# KiCad board ControlBoard.kicad_pcb (continued)
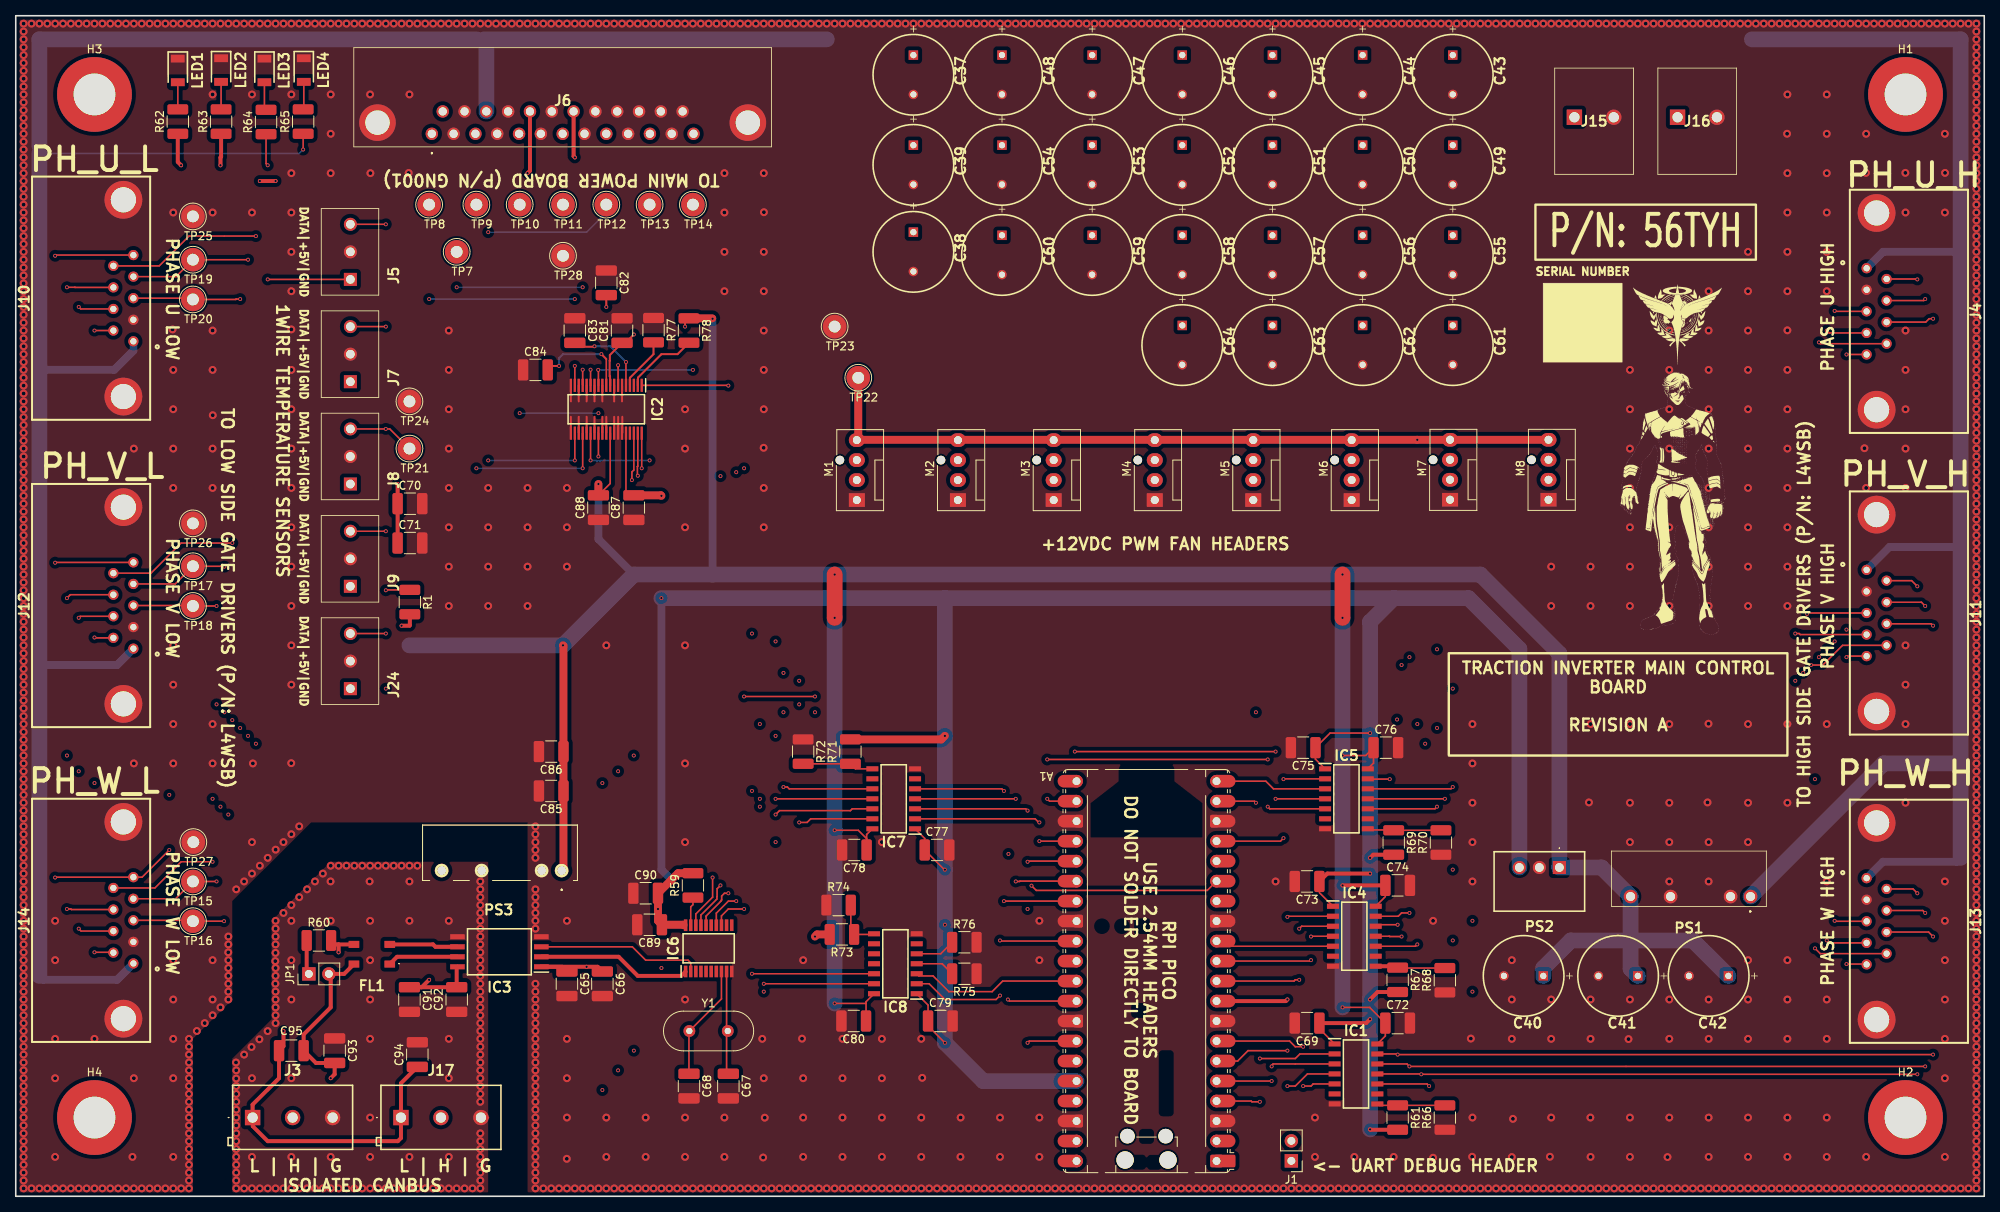
[diagram p0: board, top side]
## Footprints (pads in the part's own frame, mm; a bottom-side part is the same pattern mirrored in y, then rotated)
5-106505-2_3
  round 1.3 hole 0.8: 1(9.97,-12.87) 2(12.71,-12.87) 3(15.45,-12.87) 4(18.19,-12.87) 5(20.93,-12.87) 6(11.34,-10.33) 7(14.08,-10.33) 8(16.82,-10.33) 9(19.56,-10.33)
  round 4.8 hole 3.2: 10(2.95,-11.6) 11(27.95,-11.6)
1548129
  rect 1.95x1.95 hole 1.3: 1(0,0)
  round 1.95 hole 1.3: 2(5.08,0) 3(10.16,0)
1987724
  rect 1.95x1.95 hole 1.3: 1(0,0)
  round 1.95 hole 1.3: 2(5,0)
5442251
  rect 1.65x1.65 hole 1.1: 1(0,0)
  round 1.65 hole 1.1: 2(3.5,0) 3(7,0)
ACT45B1012PTL003
  rect 1.35x0.9 smd: 1(-2.275,1.25) 2(-2.275,-1.25) 3(2.275,-1.25) 4(2.275,1.25)
C_1210_3225Metric_Pad1.33x2.70mm_HandSolder
  rrect 1.325x2.7 smd: 1(-1.562,0) 2(1.562,0)
CAPPRD500W60D1025H1750
  rect 1.2x1.2 hole 0.8: 1(0,0)
  round 1.2 hole 0.8: 2(5,0)
Crystal_HC49-4H_Vertical
  round 1.5 hole 0.8: 1(0,0) 2(4.88,0)
FanPinHeader_1x04_P2.54mm_Vertical
  round 1.1 hole 1.1 unplated: (5.08,2.16)
  rect 1.73x2.03 hole 1.02: 1(0,0)
  oval 1.73x2.03 hole 1.02: 2(2.54,0) 3(5.08,0) 4(7.62,0)
L717SDB25PA4CH3R
  round 1.575 hole 1.05: 1(0,0) 2(-2.77,0) 3(-5.54,0) 4(-8.31,0) 5(-11.08,0) 6(-13.85,0) 7(-16.62,0) 8(-19.39,0) 9(-22.16,0) 10(-24.93,0) 11(-27.7,0) 12(-30.47,0) 13(-33.24,0) 14(-31.855,-2.84) 15(-29.085,-2.84) 16(-26.315,-2.84) 17(-23.545,-2.84) 18(-20.775,-2.84) 19(-18.005,-2.84) 20(-15.235,-2.84) 21(-12.465,-2.84) 22(-9.695,-2.84) 23(-6.925,-2.84) 24(-4.155,-2.84) 25(-1.385,-2.84)
  round 4.65 hole 3.1: MH1(6.9,-1.42) MH2(-40.14,-1.42)
LEDC3216X120N
  rect 1x1.75 smd: 1(-1.5,0) 2(1.5,0)
MountingHole_5.3mm_M5_ISO7380_Pad
  round 9.5 hole 5.3: 1(0,0)
PinHeader_1x02_P2.54mm_Vertical
  rect 1.7x1.7 hole 1: 1(0,0)
  round 1.7 hole 1: 2(0,-2.54)
R78K3310
  rect 1.665x1.665 hole 1.11: 1(0,0)
  round 1.665 hole 1.11: 2(2.54,0) 3(5.08,0)
R_1210_3225Metric_Pad1.30x2.65mm_HandSolder
  rrect 1.3x2.65 smd: 1(-1.55,0) 2(1.55,0)
RaspberryPi_Pico_Common_Unspecified
  round 2.2 hole 2.2 unplated: (-2.725,24) (2.725,24)
  round 1.85 hole 1.85 unplated: (-2.425,20.97) (2.425,20.97)
  custom 3.2x1.6 smd: 1(-9.69,24.13) 3(-9.69,19.05) 8(-9.69,6.35) 13(-9.69,-6.35) 18(-9.69,-19.05) 23(9.69,-19.05) 28(9.69,-6.35) 33(9.69,6.35) 38(9.69,19.05)
  rrect 1.6x1.6 hole 1: 1(-8.89,24.13)
  rrect 3.2x1.6 smd: 2(-9.69,21.59) 4(-9.69,16.51) 5(-9.69,13.97) 6(-9.69,11.43) 7(-9.69,8.89) 9(-9.69,3.81) 10(-9.69,1.27) 11(-9.69,-1.27) 12(-9.69,-3.81) 14(-9.69,-8.89) 15(-9.69,-11.43) 16(-9.69,-13.97) 17(-9.69,-16.51) 19(-9.69,-21.59) 20(-9.69,-24.13) 21(9.69,-24.13) 22(9.69,-21.59) 24(9.69,-16.51) 25(9.69,-13.97) 26(9.69,-11.43) 27(9.69,-8.89) 29(9.69,-3.81) 30(9.69,-1.27) 31(9.69,1.27) 32(9.69,3.81) 34(9.69,8.89) 35(9.69,11.43) 36(9.69,13.97) 37(9.69,16.51) 39(9.69,21.59) 40(9.69,24.13)
  round 1.6 hole 1: 2(-8.89,21.59) 4(-8.89,16.51) 5(-8.89,13.97) 6(-8.89,11.43) 7(-8.89,8.89) 9(-8.89,3.81) 10(-8.89,1.27) 11(-8.89,-1.27) 12(-8.89,-3.81) 14(-8.89,-8.89) 15(-8.89,-11.43) 16(-8.89,-13.97) 17(-8.89,-16.51) 19(-8.89,-21.59) 20(-8.89,-24.13) 21(8.89,-24.13) 22(8.89,-21.59) 24(8.89,-16.51) 25(8.89,-13.97) 26(8.89,-11.43) 27(8.89,-8.89) 29(8.89,-3.81) 30(8.89,-1.27) 31(8.89,1.27) 32(8.89,3.81) 34(8.89,8.89) 35(8.89,11.43) 36(8.89,13.97) 37(8.89,16.51) 39(8.89,21.59) 40(8.89,24.13)
  custom 1.6x1.6 hole 1: 3(-8.89,19.05) 8(-8.89,6.35) 13(-8.89,-6.35) 18(-8.89,-19.05) 23(8.89,-19.05) 28(8.89,-6.35) 33(8.89,6.35) 38(8.89,19.05)
RFMM0505S
  round 1.725 hole 1.15: 1(0,0) 2(2.54,0) 5(10.16,0) 7(15.24,0)
RKE1205SH
  round 1.725 hole 1.15: 1(0,0) 2(2.54,0) 5(10.16,0) 7(15.24,0)
SOIC127P600X175-14N
  rect 1.525x0.65 smd: 1(-2.712,3.81) 2(-2.712,2.54) 3(-2.712,1.27) 4(-2.712,0) 5(-2.712,-1.27) 6(-2.712,-2.54) 7(-2.712,-3.81) 8(2.712,-3.81) 9(2.712,-2.54) 10(2.712,-1.27) 11(2.712,0) 12(2.712,1.27) 13(2.712,2.54) 14(2.712,3.81)
SOIC127P1150X280-8N
  rect 1.85x0.65 smd: 1(-5.325,1.905) 2(-5.325,0.635) 3(-5.325,-0.635) 4(-5.325,-1.905) 5(5.325,-1.905) 6(5.325,-0.635) 7(5.325,0.635) 8(5.325,1.905)
SOP50P640X120-38M
  rect 1.675x0.3 smd: 1(-3.038,4.5) 2(-3.038,4) 3(-3.038,3.5) 4(-3.038,3) 5(-3.038,2.5) 6(-3.038,2) 7(-3.038,1.5) 8(-3.038,1) 9(-3.038,0.5) 10(-3.038,0) 11(-3.038,-0.5) 12(-3.038,-1) 13(-3.038,-1.5) 14(-3.038,-2) 15(-3.038,-2.5) 16(-3.038,-3) 17(-3.038,-3.5) 18(-3.038,-4) 19(-3.038,-4.5) 20(3.038,-4.5) 21(3.038,-4) 22(3.038,-3.5) 23(3.038,-3) 24(3.038,-2.5) 25(3.038,-2) 26(3.038,-1.5) 27(3.038,-1) 28(3.038,-0.5) 29(3.038,0) 30(3.038,0.5) 31(3.038,1) 32(3.038,1.5) 33(3.038,2) 34(3.038,2.5) 35(3.038,3) 36(3.038,3.5) 37(3.038,4) 38(3.038,4.5)
SOP65P640X120-20N
  rect 1.475x0.45 smd: 1(-2.938,2.925) 2(-2.938,2.275) 3(-2.938,1.625) 4(-2.938,0.975) 5(-2.938,0.325) 6(-2.938,-0.325) 7(-2.938,-0.975) 8(-2.938,-1.625) 9(-2.938,-2.275) 10(-2.938,-2.925) 11(2.938,-2.925) 12(2.938,-2.275) 13(2.938,-1.625) 14(2.938,-0.975) 15(2.938,-0.325) 16(2.938,0.325) 17(2.938,0.975) 18(2.938,1.625) 19(2.938,2.275) 20(2.938,2.925)
TestPoint_Loop_D2.54mm_Drill1.5mm_Beaded
  round 3 hole 1.5: 1(0,0)

## Nets
+3.3V: A1.36 C65.1 C66.1 C69.1 C73.1 C75.1 C77.1 C79.1 C87.2 C89.1 C90.2 IC1.1 IC2.34 IC3.1 IC4.1 IC5.1 IC6.20 IC7.1 IC8.1 PS2.3 R59.2 R61.2 R67.2 R69.2 R71.2 R73.2
+5V: C40.1 C41.1 C42.1 C70.1 C71.1 C72.1 C74.1 C76.1 C78.1 C80.1 C81.1 C85.1 C86.1 C88.2 IC1.14 IC2.9 IC2.30 IC4.14 IC5.14 IC7.14 IC8.14 J5.1 J7.1 J8.1 J9.1 J24.1 PS1.7 PS2.1 PS3.1 R1.2 R64.1 R78.1
+12V: C37.1 C38.1 C39.1 C43.1 C44.1 C45.1 C46.1 C47.1 C48.1 C49.1 C50.1 C51.1 C52.1 C53.1 C54.1 C55.1 C56.1 C57.1 C58.1 C59.1 C60.1 C61.1 C62.1 C63.1 C64.1 J4.1 J6.23 J10.1 J11.1 J12.1 J13.1 J14.1 J15.1 J16.1 M1.2 M2.2 M3.2 M4.2 M5.2 M6.2 M7.2 M8.2 PS1.1 R65.1
GND: A1.3 A1.8 A1.13 A1.18 A1.23 A1.28 A1.33 A1.38 C37.2 C38.2 C39.2 C40.2 C41.2 C42.2 C43.2 C44.2 C45.2 C46.2 C47.2 C48.2 C49.2 C50.2 C51.2 C52.2 C53.2 C54.2 C55.2 C56.2 C57.2 C58.2 C59.2 C60.2 C61.2 C62.2 C63.2 C64.2 C65.2 C66.2 C67.2 C68.2 C69.2 C70.2 C71.2 C72.2 C73.2 C74.2 C75.2 C76.2 C77.2 C78.2 C79.2 C80.2 C81.2 C82.1 C83.1 C84.1 C85.2 C86.2 C87.1 C88.1 C89.2 C90.1 IC1.7 IC2.6 IC2.8 IC2.11 IC2.13 IC2.15 IC2.17 IC2.19 IC2.20 IC2.22 IC2.24 IC2.26 IC2.28 IC2.29 IC2.31 IC2.32 IC2.33 IC3.4 IC4.7 IC5.7 IC6.10 IC7.7 IC8.7 J4.2 J4.10 J4.11 J5.2 J6.2 J6.4 J6.6 J6.8 J6.10 J6.12 J6.14 J6.15 J6.16 J6.17 J6.18 J6.20 J6.22 J6.24 J6.MH1 J6.MH2 J7.2 J8.2 J9.2 J10.2 J10.10 J10.11 J11.2 J11.10 J11.11 J12.2 J12.10 J12.11 J13.2 J13.10 J13.11 J14.2 J14.10 J14.11 J15.2 J16.2 J24.2 LED1.1 LED2.1 LED3.1 LED4.1 M1.1 M2.1 M3.1 M4.1 M5.1 M6.1 M7.1 M8.1 PS1.2 PS1.5 PS2.2 PS3.2 R66.1 R68.1 R70.1 R72.1 R74.1 R75.1 R76.2 R77.1 TP23.1 TP24.1 TP25.1 TP26.1 TP27.1 TP28.1
1WIRE_3v3_DATA: A1.20 IC5.3
1WIRE_DATA: IC5.12 J5.3 J7.3 J8.3 J9.3 J24.3 R1.1 TP21.1
ADC_SPI_CS: A1.19 IC2.38
CAN_CS: A1.32 IC6.18
CAN_INT: A1.34 IC6.13
CANBUS_ISO_5V: C91.1 C92.2 IC3.8 PS3.7
CANBUS_ISO_GND: C91.2 C92.1 C93.1 C94.2 IC3.5 J3.3 J17.3 PS3.5
CanH_External: C93.2 C95.1 FL1.4 J3.2 J17.2 JP1.2
CanL_External: C94.1 C95.2 FL1.3 J3.1 J17.1 R60.2
DC_LINK_BUS_CURRENT_SENSE: IC2.18 J6.1 TP8.1
DC_LINK_BUS_ISOLATED_VSENSE: IC2.16 J6.25 TP7.1
FAN_3v3_PWM: A1.21 IC5.4
FAN_PWM: IC5.11 M1.4 M2.4 M3.4 M4.4 M5.4 M6.4 M7.4 M8.4 TP22.1
FAULT_3v3_INPUT: A1.31 IC8.3
FAULT_INPUT: IC8.12 J4.5 J10.5 J11.5 J12.5 J13.5 J14.5
FAULT_LED: J6.21 R62.1
GATE_SPI_3v3_RX: A1.6 IC1.4
GATE_SPI_3v3_SCK: A1.4 IC1.2
GATE_SPI_3v3_TX: A1.5 IC1.3
GATE_SPI_RX: IC1.11 J4.6 J10.6 J11.6 J12.6 J13.6 J14.6
GATE_SPI_SCK: IC1.13 J4.8 J10.8 J11.8 J12.8 J13.8 J14.8
GATE_SPI_TX: IC1.12 J4.7 J10.7 J11.7 J12.7 J13.7 J14.7
GATE_U_3v3_H_CS: A1.9 IC4.2
GATE_U_3v3_L_CS: A1.7 IC1.5
GATE_U_H_CS: IC4.13 J4.9
GATE_U_L_CS: IC1.10 J10.9
GATE_V_3v3_H_CS: A1.11 IC4.4
GATE_V_3v3_L_CS: A1.10 IC4.3
GATE_V_H_CS: IC4.11 J11.9
GATE_V_L_CS: IC4.12 J12.9
GATE_W_3v3_H_CS: A1.17 IC5.2
GATE_W_3v3_L_CS: A1.12 IC4.5
GATE_W_H_CS: IC5.13 J13.9
GATE_W_L_CS: IC4.10 J14.9
PH_3v3_PWM_U_H: A1.26 IC7.4
PH_3v3_PWM_U_L: A1.22 IC5.5
PH_3v3_PWM_V_H: A1.27 IC7.5
PH_3v3_PWM_V_L: A1.24 IC7.2
PH_3v3_PWM_W_H: A1.29 IC8.2
PH_3v3_PWM_W_L: A1.25 IC7.3
PH_PWM_U_H: IC7.11 J4.3 J10.4 TP19.1
PH_PWM_U_L: IC5.10 J4.4 J10.3 TP20.1
PH_PWM_V_H: IC7.10 J11.3 J12.4 TP17.1
PH_PWM_V_L: IC7.13 J11.4 J12.3 TP18.1
PH_PWM_W_H: IC8.13 J13.3 J14.4 TP15.1
PH_PWM_W_L: IC7.12 J13.4 J14.3 TP16.1
PHASE_U_ISENSE: IC2.23 J6.3 TP9.1
PHASE_U_ISOLATED_VSENSE: IC2.21 J6.9 TP12.1
PHASE_V_ISENSE: IC2.27 J6.5 TP10.1
PHASE_V_ISOLATED_VSENSE: IC2.25 J6.11 TP13.1
PHASE_W_ISENSE: IC2.14 J6.7 TP11.1
PHASE_W_ISOLATED_VSENSE: IC2.12 J6.13 TP14.1
SPI2_RX: A1.16 IC2.36 IC6.17
SPI2_SCK: A1.14 IC2.37 IC6.14
SPI2_TX: A1.15 IC2.1 IC6.16
StatusLED: J6.19 R63.1
Net-(A1-GPIO0): A1.1 J1.1
Net-(A1-GPIO1): A1.2 J1.2
Net-(IC1-OE): IC1.8 R61.1 R66.2
Net-(IC2-AUX_IN): C84.2 IC2.10
Net-(IC2-REFCAP): C82.2 IC2.7
Net-(IC2-REFIO): C83.2 IC2.5
Net-(IC2-~{REFSEL}): IC2.4 R77.2
Net-(IC2-~{RST}/~{PD}): IC2.2 R78.2
Net-(IC3-CANH): FL1.1 IC3.7
Net-(IC3-CANL): FL1.2 IC3.6
Net-(IC3-RXD): IC3.3 IC6.2
Net-(IC3-TXD): IC3.2 IC6.1
Net-(IC4-OE): IC4.8 R67.1 R68.2
Net-(IC5-OE): IC5.8 R69.1 R70.2
Net-(IC6-OSC1): C67.1 IC6.9 Y1.2
Net-(IC6-OSC2): C68.1 IC6.8 Y1.1
Net-(IC6-~{RESET}): IC6.19 R59.1
Net-(IC7-OE): IC7.8 R71.1 R72.2
Net-(IC8-A3): IC8.4 R75.2
Net-(IC8-A4): IC8.5 R76.1
Net-(IC8-OE): IC8.8 R73.1 R74.2
Net-(JP1-A): JP1.1 R60.1
Net-(LED1-A): LED1.2 R62.2
Net-(LED2-A): LED2.2 R63.2
Net-(LED3-A): LED3.2 R64.2
Net-(LED4-A): LED4.2 R65.2

Pads without a net: A1 30 35 37 39 40; H1 1; H2 1; H3 1; H4 1; IC1 6 9; IC2 3 35; IC4 6 9; IC5 6 9; IC6 3 4 5 6 7 11 12 15; IC7 6 9; IC8 6 9 10 11; M1 3; M2 3; M3 3; M4 3; M5 3; M6 3; M7 3; M8 3

## Via types
v1: diameter 1, hole 0.5, Top to Bottom, 1276 vias
v2: diameter 0.5, hole 0.3, Top to Bottom, 249 vias

## Routing (per net, layer and track width the routed paths; a pad name or vN(x,y) marks a point on that pad's centre or on a via; arc(x,y) is an arc through that point)
+3.3V: length 471.3
  Top w0.2: v2(118,41.5) 117.94,41.5 C77.1 115.44,45.46 IC7.1 ; v2(118,19.5) 115.86,21.64 C79.1 115.86,24.29 IC8.1 ; IC5.1 165.06,55.54 C75.1 166.91,58.85 v2(172,58.85) ; 165.56,21.29 IC1.1 ; 165.56,38.58 IC4.1 ; IC2.34 77.5,89
  Top w0.5: v2(172,41) 166.56,41 C73.1 ; C66.1 73.91,29.16 v2(72.5,29.16) IC3.1 69.41,29.16 C65.1 ; C69.1 171.5,22 v2(172,22.5) ; R61.2 172.05,8.45 v2(172,8.5) ; v2(172,25) 172.95,25.95 R67.2 ; v2(172,43) 172.4,43.4 R69.2
  Top w1: 84.8,34.44 84.74,34.5 C89.1 81.56,35 v2(81.56,36.5) C90.2 v2(83.28,40.22) 84.11,41.05 R59.2 ; R71.2 117.55,58.05 v2(118,58.5) ; v2(82,89) 81.94,89.06 C87.2 ; v2(101.5,33) 101.77,33.27 R73.2
  In1.Cu w0.5: v2(82,29) 81.84,29.16 v2(72.5,29.16)
  In2.Cu w0.5: v2(82,29) 82,36.06 v2(81.56,36.5)
  In2.Cu w1: v2(101.5,33) 116.5,33 v2(118,34.5) ; v2(82,89) v2(82,76)
  Bottom w1: v2(83.28,40.22) 82,41.5 v2(82,76)
  Bottom w2: A1.36 122.86,14.64 v2(118,19.5) v2(118,34.5) v2(118,41.5) v2(118,58.5) 118,76 ; 118,76 175,76 ; 118,76 v2(82,76) ; 175,76 184.5,76 190.96,69.54 PS2.3 ; 175,76 172,73 v2(172,43) v2(172,41) v2(172,25) v2(172,22.5) v2(172,8.5)
+5V: length 523.1
  Top w0.2: v2(168.5,24) 171.94,24 C72.1 173.94,20.36 IC1.14 ; v2(32,131) 31.79,131.21 R64.1 ; v2(32,116.5) J5.1 ; IC7.14 108.06,45.96 C78.1 108.06,45.44 107,46.5 v2(104,46.5) ; v2(104,24.5) 107.99,24.5 ; 107.99,24.5 C80.1 ; 107.99,24.5 107.99,24.72 IC8.14 ; v2(168.5,56) 171.44,56 C76.1 172.44,55.04 IC5.14 ; 173.94,38.08 IC4.14 ; IC2.30 75.5,90.56 C88.2 ; 172.15,56.45 172.29,56.31
  Top w0.25: 88.45,111.55 v2(88.5,111.5) ; v2(78.5,109.5) 77.44,108.44 C81.1 75.45,106.89 75.45,106.19 75.43,106.16 75.43,104.2 75.48,104.2 75.48,103.06 IC2.9 ; v2(85,110.5) 85,111.05 R78.1
  Top w0.5: C71.1 C70.1 v2(48.5,90.5) ; C74.1 v2(168.5,39.5) ; v2(49,72.5) 50,72.5 50.05,72.55 R1.2
  Top w1: PS3.1 69.56,41.62 C86.1 69.56,69.94 v2(69.5,70) ; C88.2 v2(74,90.5) ; R78.1 88.45,111.55
  Top w2: v2(168.5,79) v2(168.5,73.5) ; v2(104,79) v2(104,73.5)
  In2.Cu w0.2: v2(32,131) v2(32,116.5)
  In2.Cu w0.25: v2(78.5,109.5) 79.5,110.5 v2(85,110.5)
  Bottom w1: 78.5,79 74,83.5 v2(74,90.5) ; v2(88.5,111.5) 88.5,79
  Bottom w2: 205.09,32.5 205.09,28.91 C41.1 ; 205.09,32.5 PS1.7 201.4,41.78 PS2.1 196.04,68.96 186,79 v2(168.5,79) v2(104,79) 78.5,79 v2(69.5,70) 50,70 ; 205.09,32.5 213,32.5 C42.1 ; 205.09,32.5 197.5,32.5 194,29 C40.1 ; v2(104,24.5) v2(104,46.5) v2(104,73.5) ; v2(168.5,24) v2(168.5,39.5) v2(168.5,56) v2(168.5,73.5)
+12V: length 505.3
  Top w0.2: R65.1 v2(36.5,133)
  Bottom w0.2: 2.5,133 3,132.5 36,132.5 v2(36.5,133)
  Bottom w1: 2.5,67.5 12.86,67.5 J12.1 ; 247,43 246.5,42.5 237.14,42.5 J13.1 ; 3,105.5 3.5,105 12.5,105 14.94,107.44 J10.1 ; 3,28 3.5,27.5 12.86,27.5 J14.1 ; J11.1 237.97,82.5 247.5,82.5 ; 247.5,120 237.14,120 J4.1
  Bottom w2: 59.77,146.74 J6.23 ; 247,55.5 247,43 ; 247,55.5 247,82 ; 247,55.5 246.5,55 237.24,55 PS1.1 ; 3,132.5 3,28 ; 247,120.5 247,147 220.5,147 ; 247,119.5 247,83 ; 103,147 59.5,147 ; 58.5,147 3,147 3,133.5
GND: length 32.6
  Top w0.25: 77,101 IC2.6 ; 73.5,101 IC2.13 ; 75,97 75,99.04 ; 76,97 76,99.04 ; 76.5,97 76.5,99.04 ; 71.5,97 71.5,99.04 ; 76,101 IC2.8 ; 74.5,101 IC2.11 ; 70.5,101 IC2.19 ; 73.5,97 73.5,99.04 ; 71.5,101 IC2.17 ; 74.5,97 74.5,99.04 ; 72.5,101 IC2.15 ; 72.5,97 72.5,99.04 ; 70.5,97 70.5,99.04 ; 77.03,97 77.03,99.04
  vias: v1(1,149) v1(1,148) v1(1,147) v1(1,146) v1(1,145) v1(1,144) v1(1,143) v1(1,142) v1(1,141) v1(1,140) v1(1,139) v1(1,138) v1(1,137) v1(1,136) v1(1,135) v1(1,134) v1(1,133) v1(1,132) v1(1,131) v1(1,130) v1(1,129) v1(1,128) v1(1,127) v1(1,126) v1(1,125) v1(1,124) v1(1,123) v1(1,122) v1(1,121) v1(1,120) v1(1,119) v1(1,118) v1(1,117) v1(1,116) v1(1,115) v1(1,114) v1(1,113) v1(1,112) v1(1,111) v1(1,110) v1(1,109) v1(1,108) v1(1,107) v1(1,106) v1(1,105) v1(1,104) v1(1,103) v1(1,102) v1(1,101) v1(1,100) v1(1,99) v1(1,98) v1(1,97) v1(1,96) v1(1,95) v1(1,94) v1(1,93) v1(1,92) v1(1,91) v1(1,90) v1(1,89) v1(1,88) v1(1,87) v1(1,86) v1(1,85) v1(1,84) v1(1,83) v1(1,82) v1(1,81) v1(1,80) v1(1,79) v1(1,78) v1(1,77) v1(1,76) v1(1,75) v1(1,74) v1(1,73) v1(1,72) v1(1,71) v1(1,70) v1(1,69) v1(1,68) v1(1,67) v1(1,66) v1(1,65) v1(1,64) v1(1,63) v1(1,62) v1(1,61) v1(1,60) v1(1,59) v1(1,58) v1(1,57) v1(1,56) v1(1,55) v1(1,54) v1(1,53) v1(1,52) v1(1,51) v1(1,50) v1(1,49) v1(1,48) v1(1,47) v1(1,46) v1(1,45) v1(1,44) v1(1,43) v1(1,42) v1(1,41) v1(1,40) v1(1,39) v1(1,38) v1(1,37) v1(1,36) v1(1,35) v1(1,34) v1(1,33) v1(1,32) v1(1,31) v1(1,30) v1(1,29) v1(1,28) v1(1,27) v1(1,26) v1(1,25) v1(1,24) v1(1,23) v1(1,22) v1(1,21) v1(1,20) v1(1,19) v1(1,18) v1(1,17) v1(1,16) v1(1,15) v1(1,14) v1(1,13) v1(1,12) v1(1,11) v1(1,10) v1(1,9) v1(1,8) v1(1,7) v1(1,6) v1(1,5) v1(1,4) v1(1,3) v1(1,2) v1(1,1) v1(2,149) v1(2,1) v1(3,149) v1(3,1) v1(4,149) v1(4,1) v1(5,149) v1(5,35) v1(5,30) v1(5,20) v1(5,15) v1(5,5) v1(5,1) v1(6,149) v1(6,1) v1(7,149) v1(7,1) v1(8,149) v1(8,1) v1(9,149) v1(9,1) v1(10,149) v1(10,20) v1(10,1) v1(11,149) v1(11,1) v1(12,149) v1(12,1) v1(13,149) v1(13,1) v1(14,149) v1(14,1) v1(14.82,5) v1(15,149) v1(15,95) v1(15,55) v1(15,15) v1(15,1) v1(16,149) v1(16,1) v1(17,149) v1(17,1) v1(18,149) v1(18,1) v1(19,149) v1(19,1) v1(19.91,110.14) v1(20,149) v1(20,125) v1(20,105) v1(20,100) v1(20,95) v1(20,90) v1(20,70) v1(20,65) v1(20,60) v1(20,55) v1(20,30) v1(20,25) v1(20,20) v1(20,15) v1(20,5) v1(20,1) v1(21,149) v1(21,1) v1(22,149) v1(22,20) v1(22,19) v1(22,18) v1(22,17) v1(22,16) v1(22,15) v1(22,14) v1(22,13) v1(22,12) v1(22,11) v1(22,10) v1(22,9) v1(22,8) v1(22,7) v1(22,6) v1(22,5) v1(22,4) v1(22,3) v1(22,2) v1(22,1) v1(23,149) v1(23,21) v1(24,149) v1(24,22) v1(25,149) v1(25,140) v1(25,125) v1(25,110) v1(25,105) v1(25.02,99.24) v1(25,95) v1(25,90) v1(25,60) v1(25,55) v1(25,30) v1(25,25) v1(25,23) v1(26,149) v1(26,24) v1(27,149) v1(27,33) v1(27,32) v1(26.99,31) v1(27,30) v1(27,29) v1(27,28) v1(27,27) v1(27,26) v1(27,25) v1(28,149) v1(28,39) v1(29,149) v1(29,40) v1(30,149) v1(30,140) v1(30,125) v1(30,45) v1(30,41) v1(30.12,55) v1(31,149) v1(31,42) v1(32,149) v1(32,43) v1(33,149) v1(33.01,44.04) v1(34,149) v1(34,45) v1(35,149) v1(35,140) v1(35,130) v1(35,125) v1(35,120) v1(35,115) v1(35,110.14) v1(35,105) v1(35,100) v1(35,95) v1(35,90) v1(35,85) v1(35,80) v1(35,75) v1(35,70) v1(35,65) v1(34.99,55.03) v1(35,46) v1(36,149) v1(36,47) v1(37,149) v1(38,149) v1(39,149) v1(40,149) v1(40,140) v1(40,135) v1(40,130) v1(41,149) v1(42,149) v1(43,149) v1(44,149) v1(45,149) v1(45,140) v1(45.04,130) v1(46,149) v1(47,149) v1(48,149) v1(49,149) v1(49.9,130.02) v1(50,149) v1(50,140) v1(51,149) v1(52,149) v1(53,149) v1(54,149) v1(55,149) v1(55,110) v1(55,105) v1(55,100) v1(55,95) v1(55,90) v1(55,85) v1(55,80) v1(55,75) v1(56,149) v1(57,149) v1(58,149) v1(59,149) v1(60,149) v1(60,90) v1(60,85) v1(60,80) v1(60,75) v1(61,149) v1(62,149) v1(63,149) v1(64,149) v1(65,149) v1(65,90) v1(65,85) v1(65,80) v1(65,75) v1(66,149) v1(66,47) v1(66,46) v1(66,45) v1(66,44) v1(66,43) v1(66,39) v1(66,38) v1(66,37) v1(66,36) v1(66,35) v1(66,34) v1(66,27) v1(66,26) v1(66,25) v1(66,24) v1(66,23) v1(66,22) v1(66,21) v1(66,20) v1(66,19) v1(66,18) v1(66,17) v1(66,16) v1(66,15) v1(66,14) v1(66,13) v1(66,12) v1(66,11) v1(66,10) v1(66,9) v1(66,8) v1(66,7) v1(66,6) v1(66,5) v1(66,4) v1(66,3) v1(66,2) v1(66,1) v1(67,149) v1(67,1) v1(68,149) v1(68,1) v1(69,149) v1(69,1) v1(70,149) v1(70,90) v1(70,85) v1(70,80) v1(70,35) v1(70,20) v1(70,15) v1(70,10) v1(69.98,4.76) v1(70,1) v1(71,149) v1(71,1) v1(72,149) v1(72,1) v1(73,149) v1(73,1) v1(74,149) v1(74,1) v1(75,149) v1(75,70) v1(75,10) v1(75,5) v1(75,1) v1(76,149) v1(76,1) v1(77,149) v1(77,1) v1(78,149) v1(78,1) v1(79,149) v1(79,1) v1(80,149) v1(80,10) v1(80,5) v1(80,1) v1(81,149) v1(81,1) v1(82,149) v1(82,1) v1(83,149) v1(83,1) v1(84,149) v1(84,1) v1(85,149) v1(85,100) v1(85,95) v1(85,85) v1(85,70) v1(85,55) v1(85,45) v1(85,25) v1(85,10) v1(85,5) v1(85,1) v1(86,149) v1(86,1) v1(87,149) v1(87,1) v1(88,149) v1(88,1) v1(89,149) v1(89,1) v1(90,149) v1(90,130) v1(90,125) v1(90,120) v1(90,115) v1(90,10) v1(90,5) v1(90,1) v1(91,149) v1(91,1) v1(92,149) v1(92,1) v1(93,149) v1(93,1) v1(94,149) v1(94,1) v1(94.81,20) v1(94.92,4.92) v1(95,149) v1(95,130) v1(95.02,125.04) v1(95,120) v1(95,115) v1(95,110) v1(95,105) v1(95,100) v1(94.98,95.1) v1(95,90) v1(95,85) v1(95,15) v1(95,1) v1(95.12,9.98) v1(96,149) v1(96,1) v1(97,149) v1(97,1) v1(98,149) v1(98,1) v1(99,149) v1(99,1) v1(99.86,20.02) v1(100,149) v1(100,30) v1(100,15) v1(100,10) v1(100,5) v1(100,1) v1(101,149) v1(101,1) v1(102,149) v1(102,1) v1(103,149) v1(103,1) v1(104,149) v1(104,1) v1(105,149) v1(105,20) v1(105,15) v1(105,10) v1(105,5) v1(105,1) v1(106,149) v1(106,1) v1(107,149) v1(107,1) v1(108,149) v1(108,1) v1(109,149) v1(109,1) v1(110,149) v1(110,45) v1(110,20) v1(110,15) v1(110,10) v1(110,5) v1(110,1) v1(111,149) v1(111,1) v1(112,149) v1(112,1) v1(113,149) v1(113,1) v1(114,149) v1(114,1) v1(115,149) v1(115,20) v1(115,10) v1(115,5) v1(115,1) v1(115.12,15.05) v1(116,149) v1(116,1) v1(117,149) v1(117,1) v1(118,149) v1(118,1) v1(119,149) v1(119,1) v1(120,149) v1(120,10) v1(119.98,5.01) v1(120,1) v1(121,149) v1(121,1) v1(122,149) v1(122,1) v1(123,149) v1(123,1) v1(124,149) v1(124,1) v1(125,149) v1(125,10) v1(125,5) v1(125,1) v1(126,149) v1(126,1) v1(127,149) v1(127,1) v1(128,149) v1(128,1) v1(129,149) v1(129,1) v1(130,149) v1(130,35) v1(130,30) v1(130,10) v1(130,5) v1(130,1) v1(131,149) v1(131,1) v1(132,149) v1(132,1) v1(133,149) v1(133,1) v1(134,149) v1(134,1) v1(135,149) v1(135,1) v1(136,149) v1(136,1) v1(137,149) v1(137,1) v1(138,149) v1(138,1) v1(139,149) v1(139,1) v1(140,149) v1(140,1) v1(141,149) v1(141,1) v1(142,149) v1(142,1) v1(143,149) v1(143,1) v1(144,149) v1(144,1) v1(145,149) v1(145,1) v1(146,149) v1(146,1) v1(147,149) v1(147,1) v1(148,149) v1(148,1) v1(149,149) v1(149,1) v1(150,149) v1(150,1) v1(151,149) v1(151,1) v1(152,149) v1(152,1) v1(153,149) v1(153,1) v1(154,149) v1(154,1) v1(155,149) v1(155,1) v1(156,149) v1(156,1) v1(157,149) v1(157,1) v1(158,149) v1(158,1) v1(159,149) v1(159,1) v1(160,149) v1(160,40) v1(160,1) v1(161,149) v1(161,1) v1(162,149) v1(162,1) v1(163,149) v1(163,1) v1(164,149) v1(164,1) v1(165,149) v1(165,10) v1(165,5) v1(165,1) v1(166,149) v1(166,1) v1(167,149) v1(167,1) v1(168,149) v1(168,1) v1(169,149) v1(169,1) v1(170,149) v1(170,5) v1(170,1) v1(171,149) v1(171,1) v1(172,149) v1(172,1) v1(173,149) v1(173,1) v1(174,149) v1(174,1) v1(175,149) v1(175,5) v1(175,1) v1(176,149) v1(176,1) v1(177,149) v1(177,1) v1(178,149) v1(178,1) v1(179,149) v1(179,1) v1(180,149) v1(180,35) v1(180,4.9) v1(180,1) v1(181,149) v1(181,1) v1(182,149) v1(182,1) v1(183,149) v1(183,1) v1(184,149) v1(184,1) v1(184.8,20.04) v1(185,149) v1(185,60) v1(185,55) v1(185,50) v1(185,45) v1(185,40) v1(185,10) v1(184.96,5.02) v1(185,1) v1(186,149) v1(186,1) v1(187,149) v1(187,1) v1(188,149) v1(188,1) v1(189,149) v1(189,1) v1(190,149) v1(190,30) v1(190,25) v1(190,20) v1(190,4.98) v1(190,1) v1(190.15,9.84) v1(191,149) v1(191,1) v1(192,149) v1(192,1) v1(193,149) v1(193,1) v1(194,149) v1(194,1) v1(194.84,5.02) v1(195,149) v1(195,80) v1(195,75) v1(195,25) v1(195,20) v1(195,10) v1(195,1) v1(196,149) v1(196,1) v1(197,149) v1(197,1) v1(198,149) v1(198,1) v1(199,149) v1(199,1) v1(199.8,50.04) v1(200,149) v1(200,80) v1(200,75) v1(200,60) v1(200,25) v1(200,20) v1(199.98,10) v1(200,5) v1(200,1) v1(201,149) v1(201,1) v1(202,149) v1(202,1) v1(203,149) v1(203,1) v1(204,149) v1(204,1) v1(204.82,19.97) v1(205,149) v1(205,105) v1(205,100) v1(205,95) v1(205,90) v1(205,85) v1(205,80) v1(205,75) v1(205,60) v1(205,50) v1(205,45) v1(205,25) v1(205,10) v1(205,5) v1(205,1) v1(206,149) v1(206,1) v1(207,149) v1(207,1) v1(208,149) v1(208,1) v1(209,149) v1(209,1) v1(209.77,4.98) v1(210,149) v1(210,110) v1(210,105) v1(210,100) v1(210,95) v1(210,90) v1(210,85) v1(210,80) v1(210,75) v1(210,60) v1(210,50) v1(210,45) v1(210,40) v1(210,25) v1(210,20) v1(210,10) v1(210,1) v1(211,149) v1(211,1) v1(212,149) v1(212,1) v1(213,149) v1(213,1) v1(214,149) v1(214,1) v1(214.86,50.04) v1(215,149) v1(215,115) v1(215,110) v1(215,105) v1(215,100) v1(215,95) v1(215,90) v1(215,85) v1(215,80) v1(215,75) v1(214.98,60.04) v1(215,45) v1(215,40) v1(215,25) v1(215,20) v1(215,10) v1(215,5) v1(215,1) v1(216,149) v1(216,1) v1(217,149) v1(217,1) v1(218,149) v1(218,1) v1(219,149) v1(219,1) v1(220,149) v1(220,120) v1(220,115) v1(220,110) v1(220,105) v1(220,100) v1(220,95) v1(220,90) v1(220,85) v1(220,80) v1(220,75) v1(220,60) v1(220,50) v1(220,45) v1(220,30) v1(220,25) v1(220,20) v1(220,10) v1(220,5) v1(220,1) v1(221,149) v1(221,1) v1(222,149) v1(222,1) v1(223,149) v1(223,1) v1(224,149) v1(224,1) v1(225,149) v1(225,140) v1(224.96,135.01) v1(225,130) v1(225,125) v1(225,120) v1(225,115) v1(225,110.03) v1(225,105) v1(225,100) v1(225,95) v1(225,90) v1(225,85) v1(225,80) v1(225,75) v1(225,60) v1(225,50) v1(225,30) v1(225,25) v1(225,20) v1(225,10) v1(225,5) v1(225,1) v1(226,149) v1(226,1) v1(227,149) v1(227,1) v1(228,149) v1(228,1) v1(229,149) v1(229,1) v1(230,149) v1(230,140) v1(230,135) v1(230,130) v1(230,125) v1(230,119.99) v1(230,115) v1(230,60) v1(230,40) v1(230,25) v1(230,20) v1(230,10) v1(230,5) v1(230,1) v1(231,149) v1(231,1) v1(232,149) v1(232,1) v1(233,149) v1(233,1) v1(234,149) v1(234,1) v1(234.79,95.05) v1(235,149) v1(235,135) v1(234.97,130.03) v1(235,90) v1(235,5) v1(235,1) v1(236,149) v1(236,1) v1(237,149) v1(237,1) v1(238,149) v1(238,1) v1(239,149) v1(239,1) v1(240,149) v1(239.98,130.03) v1(240,125) v1(240,110) v1(240,105) v1(240,100) v1(240,95) v1(240,90) v1(240,70) v1(240,65) v1(240,60) v1(240,50) v1(240,1) v1(241,149) v1(241,1) v1(242,149) v1(242,1) v1(243,149) v1(243,1) v1(244,149) v1(244,1) v1(245,149) v1(245,135) v1(245.02,130.03) v1(245,125) v1(245,40) v1(245,35) v1(245,30) v1(245,25) v1(245,20) v1(245,15) v1(245,5) v1(245,1) v1(246,149) v1(246,1) v1(247,149) v1(247,1) v1(248,149) v1(248,1) v1(249,149) v1(249,148) v1(249,147) v1(249,146) v1(249,145) v1(249,144) v1(249,143) v1(249,142) v1(249,141) v1(249,140) v1(249,139) v1(249,138) v1(249,137) v1(249,136) v1(249,135) v1(249,134) v1(249,133) v1(249,132) v1(249,131) v1(249,130) v1(249,129) v1(249,128) v1(249,127) v1(249,126) v1(249,125) v1(249,124) v1(249,123) v1(249,122) v1(249,121) v1(249,120) v1(249,119) v1(249,118) v1(249,117) v1(249,116) v1(249,115) v1(249,114) v1(249,113) v1(249,112) v1(249,111) v1(249,110) v1(249,109) v1(249,108) v1(249,107) v1(249,106) v1(249,105) v1(249,104) v1(249,103) v1(249,102) v1(249,101) v1(249,100) v1(249,99) v1(249,98) v1(249,97) v1(249,96) v1(249,95) v1(249,94) v1(249,93) v1(249,92) v1(249,91) v1(249,90) v1(249,89) v1(249,88) v1(249,87) v1(249,86) v1(249,85) v1(249,84) v1(249,83) v1(249,82) v1(249,81) v1(249,80) v1(249,79) v1(249,78) v1(249,77) v1(249,76) v1(249,75) v1(249,74) v1(249,73) v1(249,72) v1(249,71) v1(249,70) v1(249,69) v1(249,68) v1(249,67) v1(249,66) v1(249,65) v1(249,64) v1(249,63) v1(249,62) v1(249,61) v1(249,60) v1(249,59) v1(249,58) v1(249,57) v1(249,56) v1(249,55) v1(249,54) v1(249,53) v1(249,52) v1(249,51) v1(249,50) v1(249,49) v1(249,48) v1(249,47) v1(249,46) v1(249,45) v1(249,44) v1(249,43) v1(249,42) v1(249,41) v1(249,40) v1(249,39) v1(249,38) v1(249,37) v1(249,36) v1(249,35) v1(249,34) v1(249,33) v1(249,32) v1(249,31) v1(249,30) v1(249,29) v1(249,28) v1(249,27) v1(249,26) v1(249,25) v1(249,24) v1(249,23) v1(249,22) v1(249,21) v1(249,20) v1(249,19) v1(249,18) v1(249,17) v1(249,16) v1(249,15) v1(249,14) v1(249,13) v1(249,12) v1(249,11) v1(249,10) v1(249,9) v1(249,8) v1(249,7) v1(249,6) v1(249,5) v1(249,4) v1(249,3) v1(249,2) v1(249,1)
1WIRE_3v3_DATA: length 13.4
  Top w0.2: IC5.3 159.73,51.77 158.76,52.74 A1.20
1WIRE_DATA: length 247.5
  Top w0.2: R1.1 47.05,77.05 v2(47,77) ; J24.3 v2(47,71.5) ; v2(47,123.5) J5.3 ; v2(182.5,52) 182.27,51.77 IC5.12 ; J8.3 v2(47,97.5) 47.5,97.5 TP21.1 ; J7.3 v2(47,110.5) ; J9.3 v2(47,84.5)
  In1.Cu w0.2: v2(182.5,64.5) v2(47,64.5)
  In2.Cu w0.2: v2(47,123.5) v2(47,110.5) v2(47,97.5) v2(47,84.5) v2(47,77) v2(47,71.5) v2(47,64.5) ; v2(182.5,52) v2(182.5,64.5)
ADC_SPI_CS: length 129.3
  Top w0.2: A1.19 157.3,50.2 v2(157.5,50) ; IC2.38 v2(79.5,92.5) ; v2(101.5,63.5) v2(92.5,63.5)
  In1.Cu w0.2: v2(92.5,92.5) 91.78,92.5 91.73,92.55 91.27,92.55 91.22,92.5 v2(79.5,92.5) ; v2(157.5,61.5) v2(101.5,61.5)
  In2.Cu w0.2: v2(92.5,92.5) v2(92.5,63.5) ; v2(101.5,61.5) v2(101.5,63.5) ; v2(157.5,50) v2(157.5,61.5)
CAN_CS: length 72.3
  Top w0.2: A1.32 126.2,24.8 v2(126,25) ; IC6.18 86.38,35.88 88.5,38 v2(88.5,40.5)
  In1.Cu w0.2: v2(126.07,43.5) 125,43.5 122,40.5 v2(88.5,40.5)
  In2.Cu w0.2: v2(126.07,43.5) 126.07,25.07 v2(126,25)
CAN_INT: length 63.7
  Top w0.2: v2(92.5,36.5) 90.5,36.5 89.62,35.62 IC6.13 ; A1.34 128.72,19.72 v2(128.5,19.5)
  In1.Cu w0.2: v2(92.5,36.5) v2(128.5,36.5)
  In2.Cu w0.2: v2(128.5,36.5) v2(128.5,19.5)
CANBUS_ISO_5V: length 11.5
  Top w0.5: IC3.8 56,29.06 C92.2 C91.1 51.56,26.56 v2(52.5,27.5)
CANBUS_ISO_GND: length 0
  Top w0.2: 60.03,9.97 60,10
  vias: v1(27.97,17) v1(28,16) v1(28,14.96) v1(28,14) v1(28,13) v1(28,12) v1(28,11) v1(28,10) v1(28,9) v1(28,8) v1(28,7) v1(28,6) v1(28,5) v1(28,4) v1(28,3) v1(28,2) v1(28,1) v1(29,18) v1(29,1) v1(29.94,18.96) v1(30,15) v1(30,5) v1(30,1) v1(30.95,19.94) v1(31,1) v1(31.99,20.99) v1(32,1) v1(33,35) v1(33,34) v1(33,33) v1(33,32) v1(32.99,30.92) v1(32.96,29.88) v1(33,29) v1(33,28) v1(32.98,27.01) v1(33,26) v1(33,25) v1(33,24) v1(33,23) v1(33,22) v1(33,1) v1(34,36) v1(34,1) v1(35,37) v1(35,35) v1(35,30) v1(35,25) v1(35,15) v1(35,5) v1(35,1) v1(36,38) v1(36,1) v1(37,39) v1(37,1) v1(38,40) v1(38,1) v1(39,41) v1(39,1) v1(40,42) v1(39.98,40) v1(40,35) v1(40,5) v1(40,1) v1(41,42) v1(41,1) v1(42,42) v1(42,1) v1(43,42) v1(43,1) v1(44,42) v1(44,1) v1(44.94,40) v1(45,42) v1(45,35) v1(45,30) v1(45,25) v1(45,20) v1(45,10) v1(45,5) v1(45,1) v1(46,42) v1(46,1) v1(47,42) v1(47,1) v1(48,42) v1(48,1) v1(49,42) v1(49,1) v1(50,42) v1(50,40) v1(50,35) v1(50,5) v1(50,1) v1(51,42) v1(51,1) v1(52,1) v1(53,1) v1(54,1) v1(55,35) v1(55,20) v1(55,15) v1(55,5) v1(55,1) v1(56,1) v1(57,1) v1(58,1) v1(59,40) v1(59,39) v1(59,38) v1(59,37) v1(59,36) v1(59,35) v1(59,34) v1(59,33) v1(59,32) v1(59,31) v1(59,30) v1(59,29) v1(59,28) v1(59,27) v1(59,26) v1(59,25) v1(59,24) v1(59,23) v1(59,22) v1(59,21) v1(59,20) v1(59,19) v1(59,18) v1(59,17) v1(59,16) v1(59,15) v1(59,14) v1(59,13) v1(59,12) v1(59,8) v1(59,7) v1(59,6) v1(59,5) v1(59,4) v1(59,3) v1(59,2) v1(59,1)
CanH_External: length 46.3
  Top w0.5: v2(40,15) 40.5,15.5 C93.2 38.12,16.94 C95.1 36.56,20.56 40,24 40,28.01 JP1.2 41.7,28.25 FL1.4
  In1.Cu w0.5: 35.19,9.97 J3.2 35.16,10.16 v2(40,15) 51.56,15 54,12.56 J17.2
CanL_External: length 63
  Top w0.5: C94.1 48.92,14.36 48.92,7.4 48.53,7 32,7 30.1,8.9 30.1,9.97 J3.1 30.08,11.64 33.44,15 C95.2 34,19.06 v2(34,21) ; 41,32 40.55,32 R60.2 ; 41,32 v2(41,31) ; 41,32 FL1.3
  In1.Cu w0.5: v2(41,31) 42,30 42,26 39,26 v2(34,21)
DC_LINK_BUS_CURRENT_SENSE: length 50.6
  Top w0.2: IC2.18 v2(71,105.5)
  In1.Cu w0.2: J6.1 52.84,126.34 TP8.1 v2(52.5,114) ; v2(71,105.5) v2(71,114)
  Bottom w0.2: v2(71,114) v2(52.5,114)
DC_LINK_BUS_ISOLATED_VSENSE: length 51.5
  Top w0.2: IC2.16 v2(72,105.03)
  In1.Cu w0.2: v2(56,115.5) TP7.1 56,129.5 54.22,131.28 54.22,137.84 ; v2(72,105.03) v2(72,115.5)
  Bottom w0.2: v2(72,115.5) v2(56,115.5)
FAN_3v3_PWM: length 41.6
  Top w0.2: v2(160,56.5) v2(134.5,56.5) ; IC5.4 v2(160,50.5)
  In2.Cu w0.2: v2(134.5,56.5) 134.72,56.28 A1.21 ; v2(160,50.5) v2(160,56.5)
FAN_PWM: length 152.7
  Top w0.2: IC5.11 v2(181.5,50.5)
  Top w1: TP22.1 107,96.26 M1.4 106.86,96.12 v2(178,96.12) M8.4
  In2.Cu w0.2: v2(181.5,50.5) 181.5,79.5 178,83 v2(178,96.12)
FAULT_3v3_INPUT: length 21
  Top w0.2: IC8.3 114.69,28 116.5,28 118.5,26 124,26 125.34,27.34 A1.31
FAULT_INPUT: length 479.7
  Top w0.2: J11.5 232.63,68.63 v2(232.5,68.5) ; J13.5 235.02,29.5 v2(232.5,29.5) ; J12.5 5.04,80.54 v2(5,80.5) ; v2(232.5,106.96) J4.5 ; v2(19.5,44) 16.04,40.54 J14.5 5.04,40.54 v2(5,40.5) ; J10.5 5.09,119.59 v2(5,119.5) ; v2(93.5,28.27) IC8.12
  In1.Cu w0.2: v2(93.5,71.5) 225,71.5 226,72.5 232,72.5 v2(232.5,72) ; v2(19.5,51) 20,51.5 v2(93.5,51.5)
  In2.Cu w0.2: v2(19.5,44) v2(19.5,51) ; v2(93.5,71.5) v2(93.5,51.5) v2(93.5,28.27) ; v2(5,119.5) v2(5,80.5) v2(5,40.5) ; v2(232.5,106.96) v2(232.5,68.5) v2(232.5,29.5)
FAULT_LED: length 57.4
  Top w0.5: R62.1 20.58,131.42 v2(21,131) ; J6.21 65.31,130.31 v2(65,130) ; v2(31,129) v2(33,129)
  In2.Cu w0.5: v2(21,131) 23,129 v2(31,129) ; v2(65,130) 64,129 v2(33,129)
GATE_SPI_3v3_RX: length 19.9
  Top w0.2: A1.6 155.18,17.18 156.5,18.5 v2(161.5,18.5) ; IC1.4 164.04,15.54 162.5,14 v2(161.5,14)
  In2.Cu w0.2: v2(161.5,18.5) v2(161.5,14)
GATE_SPI_3v3_SCK: length 20.8
  Top w0.2: v2(158,17.5) 162.5,17.5 163.08,18.08 IC1.2 ; v2(158,12) 157,12 156.9,12.1 A1.4
  In2.Cu w0.2: v2(158,17.5) v2(158,12)
GATE_SPI_3v3_TX: length 16.3
  Top w0.2: IC1.3 159.69,16.81 159.5,16.62 v2(159.5,16.5) ; v2(159.5,14.64) A1.5
  In2.Cu w0.2: v2(159.5,16.5) v2(159.5,14.64)
GATE_SPI_RX: length 476.5
  Top w0.2: v2(10,71) 10.05,70.95 J12.6 ; v2(10,110) J10.6 ; v2(241.5,38.5) 240.95,39.05 J13.6 ; IC1.11 178.46,15.54 v2(178.5,15.5) v2(241.5,15.5) ; v2(241.5,116.5) 241.45,116.55 J4.6 ; v2(241.5,77.5) 240.78,78.22 J11.6 ; J14.6 12.35,31 v2(10,31)
  In1.Cu w0.2: v2(74.5,13.5) 74.58,13.42 176.42,13.42 v2(178.5,15.5) ; v2(74.5,52.5) v2(10,52.5)
  In2.Cu w0.2: v2(241.5,116.5) v2(241.5,77.5) v2(241.5,38.5) v2(241.5,15.5) ; v2(74.5,13.5) v2(74.5,52.5) ; v2(10,110) v2(10,71) v2(10,52.5) v2(10,31)
